# Allegro board pocketbeagle2-revA_241205.brd (continued)
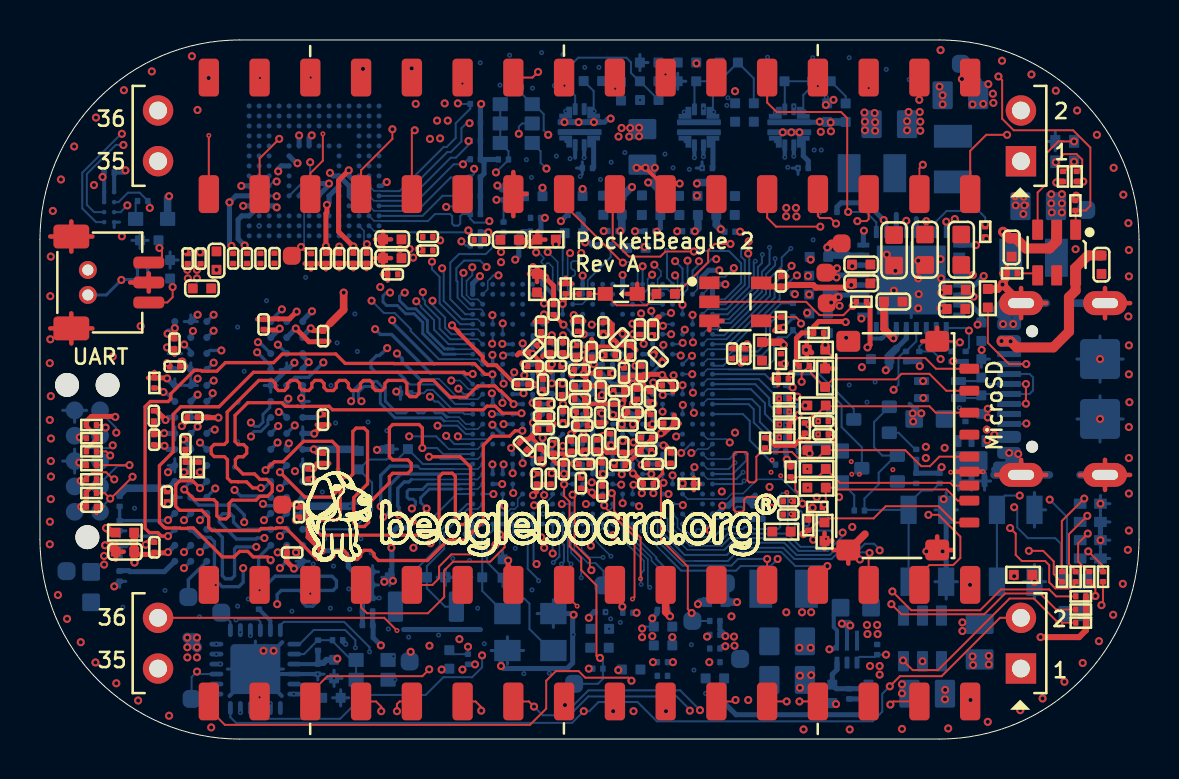
[diagram p0: board, top side]
## Routing (per net, layer and track width the routed paths; a pad name or vN(x,y) marks a point on that pad's centre or on a via; arc(x,y) is an arc through that point) (continued)
N8480473: length 1.5
  TOP w0.102: C76.1 16.34,24.35
  TOP w0.254: v1(16.36,24.78) 16.34,24.76 16.34,24.35
  BOTTOM w0.081: U3.C2 16.22,25.44 16.22,24.93 16.36,24.78 v1(16.36,24.78)
N8502406: length 15.7
  LYR3 w0.097: v1(22.82,28.37) 22.59,28.14 21.19,28.14 20.43,28.9 13.88,28.9 13.85,28.88 v1(13.52,28.88)
  BOTTOM w0.102: D47.1 D48.1 D56.1 23.44,29.43 R14.2 23.44,29 v1(22.82,28.37) ; U3.K5 13.52,28.25 v1(13.52,28.88)
N15874060: length 1.3
  TOP w0.168: v1(6.18,17.37) 5.98,17.57 R1.1
  BOTTOM w0.168: v1(6.18,17.37) 6.28,17.37 U2.F9
N15874116: length 2.2
  BOTTOM w0.168: U2.T7 7.43,7.98 TP11.1
N15878591: length 1.3
  TOP w0.102: C82.1 7.28,14.48
  TOP w0.254: R2.2 R3.2 7.28,13.88 7.28,14.48
N15909544: length 4.2
  BOTTOM w0.081: 20.59,16.55 21.37,16.55 21.41,16.52 21.91,16.52 U1.M2
  BOTTOM w0.102: R88.2 19.21,17.32 19.37,17.48 19.66,17.48 20.59,16.55
N15997584: length 2.6
  TOP w0.381: v1(42.71,20.06) 42.24,20.53 C52.1
  BOTTOM w0.254: v1(42.71,20.06) 42.85,20.21 U17.14
N15997644: length 0.9
  BOTTOM w0.254: U17.27 42.85,26.27
N15998811: length 0.7
  BOTTOM w0.254: U17.29 43.85,26.06
N16025692: length 2.6
  BOTTOM w0.081: U1.AE10 26.16,23.98
  BOTTOM w0.102: 26.16,23.98 26.16,24.55 26.26,24.65 R131.1
N16025696: length 1.1
  TOP w0.102: R130.1 25.22,22.02 v1(25.22,21.81)
  BOTTOM w0.102: U1.AC9 25.27,21.77 v1(25.22,21.81)
N16034849: length 1.7
  BOTTOM w0.203: U12.5 40.39,5.53 40.53,5.67 40.24,5.67 v1(40.13,5.78)
  BOTTOM w0.381: v1(40.55,5.69) 40.46,5.78 v1(40.13,5.78)
  vias: v1(38.13,6.35) v1(38.59,6.35)
N16034871: length 3.2
  BOTTOM w0.254: R260.1 41.25,2.52 C11.1 39.86,2.52 R261.1 39.65,3.24 39.89,3.48 U12.3
N16038113: length 0.5
  BOTTOM w0.203: v1(25.61,13.31) 25.66,13.35 U1.G9
N16038120: length 0.8
  TOP w0.102: C137.1 26.95,13.77
  TOP w0.203: v1(26.73,13.78) 26.75,13.77 26.95,13.77
  BOTTOM w0.203: v1(26.73,13.78) 26.66,13.86 U1.H11
N16038127: length 1.2
  TOP w0.102: 31.56,14.35 C138.1
  TOP w0.254: 31.56,14.35 31.56,14.44 31.3,14.71 v1(31.2,14.71)
  BOTTOM w0.102: v1(31.2,14.71) 31.16,14.74
  BOTTOM w0.254: 31.16,14.74 30.68,14.74 U1.J19
N16038134: length 1
  TOP w0.102: C139.1 30.15,13.77 v1(30.11,13.73)
  BOTTOM w0.102: v1(30.11,13.73) 29.66,14.18 U1.H17
N16038141: length 0.7
  TOP w0.102: C140.1 24.39,18.67
  TOP w0.254: 24.39,18.67 24.31,18.67 v1(24.2,18.78)
  BOTTOM w0.254: U1.U7 24.22,18.77 v1(24.2,18.78)
N16038148: length 1.1
  TOP w0.102: 31.12,17.73 31.14,17.7 C141.1
  TOP w0.203: 31.12,17.73 30.81,17.73 v1(30.69,17.85)
  BOTTOM w0.254: v1(30.69,17.85) 30.66,17.81 U1.P19
N16038155: length 0.9
  TOP w0.102: 30.02,20.23 C142.1
  TOP w0.203: 30.02,20.23 29.72,20.23 v1(29.68,20.27)
  BOTTOM w0.203: U1.W17 29.66,20.22 29.68,20.24 v1(29.68,20.27)
N16038162: length 1.1
  TOP w0.102: C143.1 30.07,15.09
  TOP w0.203: v1(29.7,14.85) 29.94,15.09 30.07,15.09
  BOTTOM w0.203: U1.K18 30.12,15.27 v1(29.7,14.85)
N16038169: length 0.5
  BOTTOM w0.203: v1(28.72,13.84) 28.71,13.85 28.71,13.91 28.66,13.96 U1.H15
N16043280: length 50.9
  LYR3 w0.152: v1(19.49,4.67) 19.19,4.98 19.19,6.96 20.46,8.23 22.11,8.23 23.44,9.56 23.44,10.93 24.01,11.5 24.01,13.13 25.16,14.28 v1(25.16,15.08)
  LAY8 w0.152: v1(4.07,22.99) 4.43,22.63 4.43,14.91 4.1,14.58 4.1,13.12 4.3,12.92 4.3,8.56 5.34,7.52 7.04,7.52 11.52,3.05 18.17,3.05 19.49,4.37 v1(19.49,4.67)
  BOTTOM w0.152: R26.1 C22.1 4.1,23.01 v1(4.07,22.99) 3.32,22.23 J2.1
  BOTTOM w0.254: v1(25.16,15.08) U1.J8
N16177059: length 4
  TOP w0.102: R15.1 13.39,24.31 v1(13.06,24.64) 12.62,24.19 TP1.1
  BOTTOM w0.081: U3.H5 13.22,26.94 13.22,24.79 v1(13.06,24.64)
N16646883: length 4.9
  BOTTOM w0.081: 27.53,23.1 27.41,22.98 27.41,22.04 27.14,21.77 U1.AC11
  BOTTOM w0.102: R132.1 29.23,24.74 R94.2 28.56,24.13 27.53,23.1
N17713632: length 4.5
  TOP w0.102: R17.2 51.14,10.92 v1(52.26,12.04)
  BOTTOM w0.102: LED1.1 52.26,11.99 v1(52.26,12.04)
N17713634: length 3.8
  TOP w0.102: R18.2 51.82,8.43 51.49,8.76 51.49,10.26 v1(52.41,11.17)
  BOTTOM w0.102: LED2.1 52.36,11.17 v1(52.41,11.17)
N17713636: length 2.9
  TOP w0.102: v1(52.43,10.29) 51.95,9.8 51.95,8.89 52.46,8.38 R19.2
  BOTTOM w0.102: LED3.1 52.38,10.29 v1(52.43,10.29)
N17713638: length 1.9
  TOP w0.102: R21.2 53.2,8.66 v1(52.46,9.4)
  BOTTOM w0.102: LED4.1 52.1,9.04 v1(52.46,9.4)
N17713640: length 2.3
  TOP w0.102: v1(50.83,28.88) 51.24,29.28 51.88,29.28 52.16,29.01 52.16,28.65 51.93,28.42 R22.2
N17714626: length 7.5
  BOTTOM w0.081: U1.C2 21.91,11.52 21.44,11.52 21.42,11.5
  BOTTOM w0.102: 21.42,11.5 21.4,11.5 20.23,10.33 20.23,9.52 19.36,8.66 R66.1 19.36,7.55 20.28,6.63 X1.1
N17714640: length 6.9
  BOTTOM w0.102: U1.C1 21.38,11.77 20.02,10.41 20.02,9.7 18.43,8.11 C1.1 18.43,7.63 17.79,6.98 X1.2
N17714779: length 5.8
  BOTTOM w0.081: 22.13,10.15 21.91,10.38 21.91,11.02 U1.B2
  BOTTOM w0.102: 22.13,10.15 C3.1 22.13,7.42 23.27,6.28 X2.3
N17714825: length 8.2
  BOTTOM w0.102: U1.A3 22.66,10.45 22.36,10.15 22.36,8.87 C4.1 23.15,7.64 23.76,7.03 24.24,7.03 24.49,6.78 24.49,5.51 25.57,4.43 X2.1
N17744709: length 1.1
  TOP w0.102: U5.4 49.82,23.32 R46.1
N17749261: length 0.8
  TOP w0.102: v1(51.75,28.9) 51.27,28.42 R38.2
N17752861: length 1.6
  TOP w0.102: P1.18 28.77,7.13 29.14,6.76 v1(29.14,6.63)
  BOTTOM w0.102: R48.1 29.17,6.45 29.14,6.48 v1(29.14,6.63)
N17806286: length 1.6
  BOTTOM w0.102: R29.2 40.75,12.21 D1.2
N17809536: length 6.6
  TOP w0.102: R52.1 v1(25.82,24.76)
  LYR3 w0.097: v1(25.82,24.76) 25.99,24.59 25.99,23.24 25.64,22.88 25.64,21.51 25.94,21.21 26.22,21.21 26.68,20.74 v1(27.61,20.74)
  BOTTOM w0.102: v1(27.61,20.74) 27.63,20.76 27.63,20.76 27.64,20.77 U1.AA14
N17822897: length 4.6
  BOTTOM w0.081: U1.B22 32.4,11.02 32.55,11.02 32.55,11.02 34,11.02 34.01,11.02 34.04,11.02
  BOTTOM w0.102: 34.04,11.02 34.63,11.02 34.78,11.17 34.78,11.53 34.88,11.63 35.11,11.63 35.21,11.53 35.21,11.12 35.31,11.02 R64.1
N17823731: length 12.5
  TOP w0.102: R96.2 51.05,5.83 v1(51,5.78) 49.74,7.03 48.52,7.03 44.94,3.45 43.67,3.45 v1(43.19,3.94)
  BOTTOM w0.102: D17.1 D16.1 51.32,6.1 v1(51,5.78)
N17852744: length 5.5
  LYR9_GND w0.097: v3(38.24,31.42) 38.2,31.38 v3(36.8,31.38)
  BOTTOM w0.102: U7.1 v3(36.8,31.38) ; U7.4 38.2,32.24 38.41,32.46 39.1,32.46 R56.1 40.32,32.19 R55.2
N17852767: length 2.8
  BOTTOM w0.102: R56.2 R57.1 37.27,32.92 U7.2
N17852826: length 1.4
  BOTTOM w0.254: U7.7 38.2,29.2 38.45,28.95 C12.1
N17855551: length 7.1
  LYR9_GND w0.097: v3(32.24,31.39) 32.36,31.27 33.59,31.27 v3(33.71,31.39)
  BOTTOM w0.102: 33.68,31.36 v3(33.71,31.39) ; 33.68,31.36 U9.4 ; 33.68,31.36 33.68,32.62 R39.1 35.72,33.08 R37.2 ; U9.1 v3(32.24,31.39)
N17855593: length 3.2
  BOTTOM w0.102: R39.2 34,33.53 33.4,32.93 R40.1 32.75,32.84 U9.2
N17855603: length 1.3
  BOTTOM w0.102: C13.1 33.67,28.59
  BOTTOM w0.254: U9.7 33.68,28.59 33.67,28.59
N17856818: length 5.8
  LYR9_GND w0.097: v3(26.31,31.43) v3(27.74,31.43) 29.47,31.43 v3(30.03,31.99)
  BOTTOM w0.102: U10.1 v3(26.31,31.43) ; U10.4 27.71,32.44 R41.2
N17856864: length 8.1
  BOTTOM w0.102: U10.2 26.78,32.2 26.5,32.49 26.5,33.68 26.93,34.11 29.35,34.11 29.57,33.88 29.57,33.35 29.99,32.93 R43.1 30.95,32 R42.2
N17856874: length 1.4
  BOTTOM w0.102: C14.1 27.68,28.59
  BOTTOM w0.254: 27.68,28.59 27.71,28.62 U10.7
N17856912: length 1.9
  BOTTOM w0.102: R62.1 R53.1 R43.2
N17858761: length 8.6
  LYR9_GND w0.097: v1(32.85,33.83) 32.85,33.48 32.52,33.15 32.52,31.85 32.8,31.58 v3(33.2,31.58) 34.42,32.79 36.48,32.79 37.6,31.67 v3(37.73,31.67)
  BOTTOM w0.102: U9.3 v3(33.2,31.58) ; U7.3 37.72,31.67 v3(37.73,31.67)
N17861361: length 1.7
  BOTTOM w0.102: U11.5 13.43,2.75 R44.2
N17861988: length 4.8
  BOTTOM w0.102: U11.2 13.22,4.25 13.58,4.61 13.58,4.62 13.9,4.95 R45.2 14.61,4.95 ; 14.61,4.95 14.64,4.95 C16.1 ; 14.61,4.95 14.61,4.95 14.61,4.93 15.58,3.96 D5.1 D4.1
N17863050: length 1.3
  BOTTOM w0.203: U11.23 11.53,5.93 C19.1
N17864579: length 1.1
  BOTTOM w0.102: TP7.1 9.53,5.87 U11.19
N17866231: length 1.7
  BOTTOM w0.102: R58.2 43.8,14.5 42.96,15.34 Q1.2
N17951154: length 3.9
  TOP w0.102: R68.1 30.85,22.2 30.36,21.72 28.86,21.72 D3.2 R67.2
N17970480: length 0.9
  BOTTOM w0.102: R72.1 4.79,26.84 D6.2
N178666392: length 1
  BOTTOM w0.102: Q2.2 43,12.8 R50.2

## Copper pours and planes (outline as drawn; the poured copper is in the pictures)
GND on TOP: 0.25,25 3.11,31.89 10,34.75 45,34.75 51.89,31.89 54.75,25 54.75,10 51.89,3.11 45,0.25 10,0.25 3.11,3.11 0.25,10 ; 19 cut-outs
GND on TOP: 7.6,23.52 7.6,22.25 7.83,22.02 14.28,22.02 14.97,22.71 15.43,22.71 15.71,22.43 15.71,20.5 16.29,19.91 21.12,19.91 22.26,21.06 22.26,23.39 21.83,23.82 21.83,25.6 21.5,25.93 19.82,25.93 19.59,25.7 19.59,23.14 19.31,22.86 17.66,22.86 17.51,23.01 17.51,25.25 17.38,25.37 16.85,25.37 16.62,25.14 16.62,24.05 16.49,23.93 9.28,23.93 9.18,23.82 7.91,23.82
GND on TOP: 44.64,24.26 41.77,24.26 41.41,23.9 41.41,22.58 41.79,22.2 42.86,22.2 42.96,22.1 42.96,21.59 42.76,21.39 42.38,21.39 42.15,21.16 42.15,19.66 42.48,19.33 45.3,19.33 45.7,19.73 45.7,22.73 45.5,22.93 45.5,24.36 45.88,24.74 46.49,24.74 46.77,25.02 46.77,25.58 46.64,25.7 45.3,25.7 45.04,25.45 45.04,24.66
GND on TOP: 25.13,23.47 25.13,28.47 25.74,29.08 25.74,29.62 25.49,29.87 22.87,29.87 22.51,29.51 22.51,26.57 23.76,25.32 23.76,23.39 24.09,23.06 24.72,23.06
GND on BOTTOM: 18.27,8 17.74,7.47 17.74,6.93 17.61,6.81 16.75,6.81 16.57,6.98 16.57,8.71 16.67,8.81 18.02,8.81 18.27,8.56
GND on BOTTOM: 2.57,11.45 1.41,11.45 1.15,11.2 1.15,10.36 1.46,10.06 2.6,10.06 2.83,10.29 2.83,11.2
GND on BOTTOM: 0.25,25 3.11,31.89 10,34.75 45,34.75 51.89,31.89 54.75,25 54.75,10 51.89,3.11 45,0.25 10,0.25 3.11,3.11 0.25,10 ; 22 cut-outs
GND on BOTTOM: 38.54,24.56 37.83,24.56 37.6,24.33 37.6,22.38 37.78,22.2 37.96,22.2 38.03,22.12 38.03,21.61 37.88,21.46 37.65,21.46 37.55,21.36 37.55,20.39 37.91,20.04 37.91,19.05 38.67,18.29 40.22,18.29 41.64,16.86 43.11,16.86 44.33,15.65 44.33,14.17 45.04,13.46 47.48,13.46 48.19,12.75 49.28,12.75 49.54,13 49.54,14.1 49.08,14.55 47.99,14.55 47.84,14.4 45.7,14.4 44.61,15.49 44.61,16.76 44.36,17.02 43.42,17.02 42.73,17.7 42.73,18.31 42.45,18.59 42.02,18.59 41.84,18.77 41.84,19.38 42.45,19.99 42.45,20.34 42.43,20.37 42.27,20.37 42.25,20.34 42.25,20.29 42.17,20.22 40.57,20.22 40.22,19.86 38.9,19.86 38.74,20.01 38.74,24.36
GND on BOTTOM: 44.33,4.34 44,4.34 43.93,4.27 43.93,3.38 43.75,3.2 43.09,3.2 42.86,2.97 42.86,1.07 43.32,0.61 46.9,0.61 48.09,1.8 48.09,4.01 47.63,4.47 46.44,4.47 46.26,4.29 46.26,3.38 46.57,3.07 46.57,1.55 46.16,1.14 44.41,1.14 44.03,1.52 44.03,2.77 44.43,3.17 44.43,4.24
GND on BOTTOM: 31.53,6.81 33.16,6.81 33.64,6.32 33.64,2.95 33.41,2.72 31.58,2.72 31.3,3 31.3,6.58
GND on BOTTOM: 44.26,30.02 43.11,30.02 42.91,30.22 42.91,31.67 43.37,32.13 43.98,32.13 44.74,32.89 45.32,32.89 45.65,32.56 45.65,31.75 45.42,31.52 44.81,31.52 44.46,31.16 44.46,30.22
GND on BOTTOM: 40.29,7.19 39.46,7.19 39.23,6.96 39.23,6.15 38.74,5.66 37.96,5.66 37.73,5.43 37.73,1.95 38.19,1.5 39.07,1.5 39.3,1.73 39.3,3.86 39.96,4.52 39.96,5.49 39.81,5.64 39.81,5.94 39.99,6.12 40.34,6.12 40.47,6.25 40.47,7.01
GND on LYR2_GND: 0.25,25 3.11,31.89 10,34.75 45,34.75 51.89,31.89 54.75,25 54.75,10 51.89,3.11 45,0.25 10,0.25 3.11,3.11 0.25,10 ; 4 cut-outs
GND on LAY4_G: 0.25,25 3.11,31.89 10,34.75 45,34.75 51.89,31.89 54.75,25 54.75,10 51.89,3.11 45,0.25 10,0.25 3.11,3.11 0.25,10
GND on LAY5_PWR1: 27.34,19.51 26.27,19.51 25.94,19.18 25.94,16.36 26.04,16.25 27.57,16.25 27.67,16.36 27.67,19.18
GND on LAY5_PWR1: 45.93,4.62 36.97,4.62 33.94,1.6 28.43,1.6 28,2.03 28,4.88 26.25,6.63 26.25,11.99 26.02,12.22 21.01,12.22 12.38,20.85 11.24,20.85 10.93,20.55 10.93,4.27 9.91,3.25 7.12,3.25 2.35,8.03 2.35,25.04 3.36,26.06 8.19,26.06 8.62,26.49 8.62,31.47 9.76,32.61 23.43,32.61 24.52,31.52 24.52,30.07 24.93,29.67 35.49,29.67 35.98,30.15 35.98,32.89 36.89,33.81 43.39,33.81 48.19,29.01 48.19,25.55 48.45,25.3 53.96,25.3 54.36,25.7 54.36,26.85 53.25,29.84 50.86,32.51 47.99,34.09 45.75,34.57 44.84,34.72 9.43,34.72 9.08,34.7 7.04,34.21 5.72,33.68 4.25,32.76 2.57,31.19 1.46,29.54 0.49,26.44 0.29,25.3 0.29,9.47 0.36,8.79 0.95,6.6 1.56,5.33 2.78,3.53 4.02,2.46 5.67,1.4 7.98,0.61 9.43,0.33 9.94,0.28 45.02,0.28 46.21,1.47 46.21,4.34
GND on LAY6_PWR2: 51.16,5.94 43.11,5.94 42.81,5.64 42.81,0.56 43.09,0.28 45.63,0.28 45.91,0.3 47.13,0.51 48.32,0.89 49.82,1.57 51.22,2.56 52.61,3.99 53.55,5.49 54.31,7.26 54.67,9.09 54.72,9.85 54.72,25.45 54.64,26.08 54.21,28.12 53.58,29.51 52.69,30.91 51.72,31.98 50.28,33.15 48.93,33.15 48.57,32.79 48.57,28.07 48.85,27.79 51.67,27.79 52.28,27.18 52.28,7.06
GND on LAY6_PWR2: 17.51,34.72 9.41,34.72 8.85,34.67 7.65,34.42 4.07,32.54 2.09,30.45 0.72,27.41 0.31,25.55 0.26,25.32 0.26,10.67 0.31,9.27 0.77,7.16 1.79,4.9 2.6,3.73 3.82,2.54 5.06,1.68 7.15,0.74 8.24,0.46 9.41,0.3 9.81,0.28 12.48,0.28 13.01,0.81 13.01,26.14 17.92,31.04 17.92,34.31
GND on LYR7: 47.35,34.39 44.13,34.39 43.42,33.68 43.42,26.16 43.77,25.81 53.86,25.81 54.42,26.36 54.42,27.3 53.91,28.7 53.04,30.35 52.05,31.62 50.86,32.66 49.08,33.78 47.84,34.24
GND on LYR9_GND: 0.25,25 3.11,31.89 10,34.75 45,34.75 51.89,31.89 54.75,25 54.75,10 51.89,3.11 45,0.25 10,0.25 3.11,3.11 0.25,10 ; 9 cut-outs
VBAT on TOP: 34.38,33.98 33.31,33.98 33.16,33.83 33.16,32.31 32.98,32.13 26.17,32.13 25.94,31.9 25.94,30.76 26.12,30.58 28.3,30.58 28.69,30.96 34.27,30.96 34.91,31.6 34.91,33.45
VBAT on BOTTOM: 28.08,30.76 28.61,30.76 29.4,31.55 29.4,32.1 29.3,32.21 28.71,32.21 28.46,32.46 28.46,33.02 28.28,33.2 28.05,33.2 27.95,33.09 27.95,32.21 28.33,31.82 28.33,31.14 28.2,31.01 28.08,31.01 28,30.94 28,30.83
VDD_1V2 on TOP: 18.98,25.65 18.09,25.65 17.76,25.32 17.76,23.21 17.89,23.09 19.01,23.09 19.26,23.34 19.26,25.37
VDD_1V2 on BOTTOM: 3.56,9.4 3.72,9.24 5.5,9.24 5.75,8.99 6.64,8.99 6.71,8.91 6.71,8.71 6.28,8.28 3.46,8.28 3.08,7.9 1.33,7.9 1,8.23 1,8.76 1.63,9.4
VDD_1V2 on BOTTOM: 39.91,27.41 39.91,29.62 40.7,30.4 40.7,31.34 40.88,31.52 41.87,31.52 42.1,31.29 42.1,30.02 41.26,29.18 41.26,27.33 41.11,27.18 40.14,27.18
VDD_1V2 on LYR7: 20.25,32.21 12.38,32.21 2.78,22.6 2.78,11.33 3.62,10.49 3.62,10.03 2.98,9.4 2.98,6.73 3.97,5.74 9.84,5.74 11.08,4.49 18.65,4.49 22.54,8.38 22.54,12.8 24.7,14.96 25.26,14.96 25.84,15.54 25.84,21.89 29.12,25.17 41.56,25.17 42.1,25.7 42.1,33.3 41.66,33.73 21.78,33.73
VDD_1V8 on TOP: 22.18,24.18 22.18,25.42 22.34,25.58 23.07,25.58 23.33,25.32 23.33,23.82 23.17,23.67 22.69,23.67
VDD_1V8 on TOP: 11.79,24.23 8.59,24.23 8.52,24.31 8.52,25.35 8.72,25.55 11.74,25.55 11.95,25.35 11.95,24.38
VDD_1V8 on BOTTOM: 47.53,29.56 45.04,29.56 44.79,29.82 44.79,31.01 45.07,31.29 46.21,31.29 46.44,31.52 46.44,33.2 46.57,33.32 47.84,33.32 48.04,33.12 48.04,30.07
VDD_1V8 on BOTTOM: 45.93,26.24 45.37,26.24 45.12,25.98 45.12,25.83 45.25,25.7 45.25,25.27 45.37,25.14 46.06,25.14 46.19,25.27 46.19,25.98
VDD_1V8 on LAY5_PWR1: 26.48,12.75 26.48,13.46 26.35,13.59 25.94,13.59 25.66,13.87 25.66,19.25 23.48,21.44 23.48,31.24 22.56,32.16 9.91,32.16 9.31,31.55 9.31,24.61 21.45,12.47 26.2,12.47
VDD_1V8 on LAY6_PWR2: 42.15,32.31 25.1,32.31 23.15,30.35 19.11,30.35 18.55,30.91 18.55,33.93 19.34,34.72 45.17,34.72 45.42,34.47 46.82,34.47 47.99,33.3 47.99,27.51 46.08,25.6 45.25,25.6 44.97,25.88 44.97,29.49
VDD_1V8 on LAY8: 40.85,22.4 40.55,22.4 40.39,22.55 40.39,22.96 43.04,25.6 44.71,25.6 45.32,26.21 46.19,26.21 46.57,25.83 46.57,24.64 45.78,23.85 44.23,23.85 42.5,22.12 41.13,22.12
VDD_3V3 on TOP: 47,22.68 46.29,22.68 46.14,22.53 46.14,21.46 46.26,21.33 47,21.33 47.18,21.51 47.18,22.5
VDD_3V3 on TOP: 7.86,22.38 7.22,22.38 7.1,22.5 7.1,23.77 7.25,23.93 8.16,23.93 8.29,23.8 8.29,23.09 7.96,22.76 7.96,22.48
VDD_3V3 on TOP: 20.07,27.96 20.07,26.9 20.56,26.41 21.22,26.41 21.47,26.67 21.47,30 20.74,30.73 19.57,30.73 19.31,30.48 19.31,28.73
VDD_3V3 on TOP: 35.34,4.9 34.12,4.9 33.28,5.74 33.28,8.36 33.49,8.56 35.16,8.56 35.34,8.38 35.34,6.91 35.65,6.6 35.65,5.21
VDD_3V3 on BOTTOM: 36.43,2.21 35.31,2.21 34.71,2.82 34.2,2.82 33.97,3.05 33.97,6.12 34.17,6.32 35.01,6.32 35.21,6.53 35.21,8.2 35.49,8.48 36.31,8.48 36.64,8.15 36.64,2.41
VDD_3V3 on BOTTOM: 45.58,4.37 45.04,4.37 44.87,4.19 44.87,1.57 45.04,1.4 45.98,1.4 46.16,1.57 46.16,3.02 45.7,3.48 45.7,4.24
VDD_3V3 on LAY5_PWR1: 2.8,24.61 2.8,8.15 7.22,3.73 9.66,3.73 10.52,4.6 10.52,22.48 7.53,25.47 3.67,25.47
VDD_3V3 on LAY6_PWR2: 45.12,18.95 43.95,18.95 42.88,17.88 41.87,17.88 41.51,18.24 41.51,18.82 41.82,19.12 41.82,24.87 38.62,28.07 33.97,28.07 32.88,26.97 32.88,22.73 30.84,20.7 27.03,20.7 26.83,20.5 26.83,19.61 27.14,19.3 29.22,19.3 29.55,18.97 29.55,17.83 30.36,17.02 30.36,14.25 30.54,14.07 34.12,14.07 34.55,14.5 34.55,15.62 35.39,16.46 35.39,22.96 36.81,24.38 40.12,24.38 40.42,24.08 40.42,23.06 37.96,20.6 37.68,20.6 37.52,20.45 37.52,20.17 37.65,20.04 37.65,14.73 37.14,14.22 37.14,13.33 39.05,11.43 43.67,11.43 45.45,13.21 45.45,18.62
VDD_3V3 on LYR7: 43.49,25.4 42.43,24.33 39.12,24.33 38.62,24.84 29.12,24.84 25.97,21.69 25.97,19.86 26.5,19.33 30.64,19.33 33.84,22.53 40.37,22.53 40.78,22.12 40.78,18.95 39.81,17.98 37.78,17.98 34.35,14.55 30.54,14.55 30.29,14.3 26.81,14.3 26.17,14.93 25.46,14.93 25.28,14.76 24.85,14.76 22.92,12.83 22.92,8.36 18.88,4.32 10.83,4.32 9.76,5.38 7.25,5.38 6.99,5.13 6.99,1.45 7.91,0.53 9.61,0.53 9.86,0.28 45.63,0.28 54.67,9.32 54.67,24.94 54.21,25.4
VDD_3V3 on LAY8: 25.41,14.93 25.64,15.16 27.85,15.16 28.48,14.53 28.48,13.16 28.33,13 25.99,13 25.41,13.59
VDD_3V3 on LAY8: 10.22,32.1 20.05,32.1 20.43,31.72 20.43,28.8 18.98,27.35 18.98,23.82 18.17,23.01 14.56,23.01 14.16,22.6 5.24,22.6 4.76,23.09 4.76,27.56 5.57,28.37 6.49,28.37 ; 1 cut-out
VDD_3V3_SD on TOP: 40.24,15.82 39.94,16.13 39.51,16.13 39.38,16 39.38,14.98 39.58,14.78 45.55,14.78 45.78,15.01 46.85,15.01 46.92,15.09 46.92,15.37 46.82,15.47 46.06,15.47 45.7,15.82
VDD_3V3_SD on BOTTOM: 47.58,5.23 46.19,5.23 45.75,4.8 44.26,4.8 43.9,5.15 43.9,6.55 44,6.65 44.36,6.65 44.43,6.58 44.43,5.69 44.48,5.64 44.87,5.64 44.89,5.66 44.89,6.48 45.14,6.73 47.53,6.73 47.86,6.4 47.86,5.51
VDD_3V3_SD on LAY5_PWR1: 46.36,5.15 46.36,13.61 45.6,14.38 43.11,14.38 41.82,15.67 39.51,15.67 39.33,15.49 39.33,11.5 40.12,10.72 40.12,5.71 40.9,4.93 46.14,4.93
VDD_CANUART on TOP: 23.83,13.33 24.19,13.69 24.8,13.69 24.98,13.51 24.98,13.23 24.9,13.16 24.65,13.16 24.44,12.95 24.44,11.56 25.61,10.39 25.61,6.73 25.89,6.45 27.44,6.45 27.69,6.2 27.69,5.21 27.34,4.85 24.88,4.85 24.29,5.43 24.29,8.51 23.83,8.96
VDD_CANUART on BOTTOM: 27.69,6.63 27.21,6.63 27.01,6.42 27.01,4.49 27.21,4.29 27.62,4.29 27.8,4.47 27.8,6.53
VDD_CORE on BOTTOM: 28.36,4.29 30.77,4.29 30.97,4.49 30.97,6.45 30.87,6.55 30.54,6.55 30.41,6.42 30.41,5.97 30.23,5.79 29.5,5.79 28.69,4.98 28.41,4.98 28.25,4.82 28.25,4.39
VDD_CORE on BOTTOM: 52.49,27.46 50.63,27.46 50.33,27.15 50.33,23.6 50.73,23.19 52.16,23.19 52.84,23.87 52.84,27.1
VDD_CORE on LAY6_PWR2: 30.95,4.75 32.42,6.22 50.48,6.22 51.77,7.52 51.77,27.13 51.47,27.43 48.17,27.43 46.57,25.83 46.57,24.64 46.69,24.51 47.28,24.51 47.84,23.95 47.84,22.96 46.06,21.18 46.06,13 44.08,11.02 40.19,11.02 39.94,10.77 39.94,10.11 39.43,9.6 35.26,9.6 34.55,10.31 34.55,13.21 34.1,13.66 30.46,13.66 30.06,14.07 30.06,17.07 29.35,17.78 29.35,18.9 29.17,19.07 27.06,19.07 26.65,19.48 26.65,20.55 26.96,20.85 30.51,20.85 32.65,22.99 32.65,27.05 33.16,27.56 33.16,27.96 33.03,28.09 30.29,28.09 30.16,27.96 30.16,26.03 28.53,24.41 22.39,24.41 19.97,22 19.97,8 23.22,4.75
VDDA_0V85 on BOTTOM: 40.67,22.35 39.48,22.35 39.2,22.07 39.2,20.34 39.38,20.17 39.91,20.17 40.06,20.32 40.06,21.44 40.73,22.1 40.73,22.3
VDDA_0V85 on LYR7: 27.03,14.48 25.97,15.54 25.97,18.74 26.25,19.02 30.72,19.02 33.99,22.3 40.14,22.3 40.29,22.15 40.29,19.05 39.46,18.21 37.65,18.21 34.22,14.78 30.46,14.78 30.16,14.48
VDDA_1V8 on TOP: 37.35,10.62 37.65,10.62 38.19,10.08 38.9,10.08 38.97,10.01 38.97,9.27 38.87,9.17 37.63,9.17 37.27,9.52 37.27,10.54
VDDA_1V8 on BOTTOM: 39.33,23.57 39.53,23.57 39.84,23.87 40.09,23.87 40.22,23.75 40.22,23.47 40.37,23.32 40.37,23.16 40.12,22.91 39.4,22.91 39.25,23.06 39.25,23.49
VDDA_1V8 on LAY5_PWR1: 38.62,10.77 38.97,10.41 38.97,9.63 38.46,9.12 38.46,8.08 36.97,6.58 36.97,5.05 33.77,1.85 28.63,1.85 28.38,2.11 28.38,3.45 28.56,3.63 29.37,3.63 29.7,3.3 30.92,3.3 31.28,3.66 31.28,5.99 31.5,6.22 33.18,6.22 33.49,6.53 33.49,10.21 34.04,10.77
VDDA_1V8 on LAY5_PWR1: 39.66,23.16 39.66,25.53 38.21,26.97 25.1,26.97 24.9,27.18 24.9,29.06 25.13,29.28 38.9,29.28 41.87,26.31 41.87,23.27 41.61,23.01 39.81,23.01
VDDA_1V8 on LAY6_PWR2: 37.25,20.62 37.25,20.06 37.45,19.86 37.45,14.78 36.89,14.22 36.89,13.13 38.92,11.1 39.33,11.1 39.48,10.95 39.48,10.11 39.23,9.85 38.87,9.85 38.85,9.83 35.54,9.83 34.98,10.39 34.98,15.65 35.72,16.38 35.72,22.78 36.99,24.05 40.01,24.05 40.22,23.85 40.22,23.14 37.85,20.78 37.4,20.78
VDDA_1V8 on LAY8: 29.5,13.05 28.86,13.05 28.69,13.23 28.69,15.01 28.28,15.42 25.61,15.42 25.18,14.98 25.18,14.25 24.95,14.02 24.47,14.02 24.39,14.1 24.39,18.85 23.76,19.48 23.76,27.61 24.19,28.04 29.52,28.04 29.8,27.76 29.8,26.87 29.07,26.14 27.26,26.14 26.45,25.32 26.45,22.78 25.69,22.02 25.69,20.04 26.78,18.95 27.82,18.95 30.49,16.28 30.49,14.04
VDDA_1V8_CSIRX on BOTTOM: 32.04,27.58 31.73,27.58 31.5,27.35 31.5,25.35 31.68,25.17 32.09,25.17 32.27,25.35 32.27,27.35
VDDA_1V8_CSIRX on LAY5_PWR1: 31.53,22.17 29.7,22.17 29.12,21.59 29.12,20.5 28.53,19.91 27.82,19.91 27.57,20.17 27.57,23.37 28.36,24.15 30.51,24.15 30.87,24.51 30.87,24.84 31.68,25.65 32.6,25.65 32.98,25.27 32.98,23.62
VDDA_1V8_MCU on BOTTOM: 30.82,4.09 30.06,4.09 29.85,3.88 29.85,3.05 30.03,2.87 30.77,2.87 31,3.1 31,3.91
VDDA_1V8_MCU on LAY5_PWR1: 27.39,16.05 26.07,16.05 25.94,15.92 25.94,14.02 26.12,13.84 26.53,13.84 26.65,13.71 26.65,6.81 29.9,3.55 30.72,3.55 30.87,3.71 30.87,6.37 28.66,8.58 28.66,13.99 27.67,14.98 27.67,15.77
VDDA_1V8_OLDI on BOTTOM: 26.37,25.73 25.84,25.73 25.66,25.91 25.66,27.3 25.82,27.46 26.37,27.46 26.53,27.3 26.53,25.88
VDDA_1V8_OLDI on LAY5_PWR1: 25.43,19.99 26.96,19.99 27.31,20.34 27.31,26.01 26.98,26.34 24.39,26.34 23.88,25.83 23.88,21.54
VDDA_1V8_USB on BOTTOM: 28.28,27.43 27.77,27.43 27.62,27.28 27.62,25.63 28.03,25.22 28.33,25.22 28.51,25.4 28.51,27.2
VDDA_1V8_USB on LAY8: 26.09,20.52 26.81,20.52 28.18,21.89 28.18,24.84 28.48,25.14 28.48,25.58 28.28,25.78 27.24,25.78 26.88,25.42 26.88,22.71 25.97,21.79 25.97,20.65
VDDA_CORE_CSI on BOTTOM: 34.68,25.27 34.68,25.63 34.53,25.78 34.53,27.28 34.63,27.38 35.24,27.38 35.39,27.23 35.39,25.27 35.29,25.17 34.78,25.17
VDDA_CORE_CSI on LAY5_PWR1: 28.03,18.95 27.87,19.1 27.87,19.48 28.03,19.63 28.66,19.63 29.4,20.37 29.4,21.54 29.75,21.89 31.71,21.89 33.28,23.47 33.28,25.42 33.54,25.68 35.37,25.68 35.54,25.5 35.54,21.26 33.23,18.95
VDDA_CORE_USB on BOTTOM: 30.21,27.41 29.93,27.41 29.6,27.08 29.6,25.27 29.7,25.17 30.29,25.17 30.39,25.27 30.39,27.23
VDDA_CORE_USB on LAY8: 26.5,19.51 26.37,19.63 26.37,20.12 26.63,20.37 26.91,20.37 28.51,21.97 28.51,24.84 28.74,25.07 28.74,25.68 28.86,25.81 29.78,25.81 29.98,25.6 29.98,25.02 29.57,24.61 29.57,20.65 28.43,19.51
VDDA_PLL0 on BOTTOM: 24.62,25.25 24.62,26.72 24.44,26.9 24.44,27.33 24.32,27.46 23.88,27.46 23.68,27.25 23.68,25.35 23.91,25.12 24.49,25.12
VDDA_PLL0 on LYR3: 24.16,24.43 23.55,24.43 23.35,24.23 23.35,21.74 24.62,20.47 24.62,18.59 24.75,18.46 26.25,18.46 26.42,18.64 26.42,20.37 25.46,21.33 25.46,23.14
VDDA_PLL1 on TOP: 36.23,19.15 34.45,19.15 34.3,19 34.3,18.39 34.5,18.19 36.23,18.19 36.38,18.34 36.38,19
VDDA_PLL1 on LAY5_PWR1: 34.25,19.51 35.19,19.51 35.37,19.33 35.37,16.97 35.16,16.76 28.63,16.76 28.46,16.94 28.46,18.39 28.74,18.67 33.41,18.67
VDDA_PLL2 on TOP: 36.46,12.14 36.03,11.71 36.03,10.23 36.2,10.06 36.79,10.06 36.89,10.16 36.89,10.67 37.35,11.12 37.35,12.01 37.22,12.14
VDDA_PLL2 on LAY5_PWR1: 38.21,11.48 37.96,11.23 33.99,11.23 33.56,11.66 33.56,13.03 32.7,13.89 29.3,13.89 27.9,15.29 27.9,16.41 28,16.51 35.26,16.51 38.21,13.56
VDDSHV5 on LAY5_PWR1: 32.55,13.51 33.18,12.88 33.18,6.68 33.03,6.53 31.38,6.53 29.14,8.76 29.14,13.28 29.37,13.51
VIN_5V on BOTTOM: 36.66,31.01 39.89,31.01 39.96,30.94 39.96,30.12 39.66,29.82 39.07,29.82 38.69,30.2 38.69,30.66 38.62,30.73 36.71,30.73 36.61,30.83 36.61,30.96
VIN_5V on LAY5_PWR1: 49.41,2.51 47.2,2.51 46.54,3.17 46.54,13.71 47.2,14.38 48.8,14.38 49.23,14.81 49.23,20.14 48.88,20.5 45.53,20.5 42.15,23.87 42.15,26.47 39.02,29.59 36.74,29.59 36.46,29.87 36.46,32.61 37.3,33.45 43.29,33.45 47.68,29.06 47.68,25.47 48.17,24.99 53.5,24.99 54.26,24.23 54.26,7.36
(no net) on LYR3: 0.25,25 3.11,31.89 10,34.75 45,34.75 51.89,31.89 54.75,25 54.75,10 51.89,3.11 45,0.25 10,0.25 3.11,3.11 0.25,10 ; 72 cut-outs
(no net) on LAY8: 0.25,25 3.11,31.89 10,34.75 45,34.75 51.89,31.89 54.75,25 54.75,10 51.89,3.11 45,0.25 10,0.25 3.11,3.11 0.25,10 ; 60 cut-outs
USB_5V on TOP: 40.85,1.27 40.85,3.43 41.39,3.96 42,3.96 42.35,3.61 42.35,1.27 42.07,0.99 41.13,0.99
USB_5V on BOTTOM: 48.9,15.39 47.94,15.39 47.46,15.87 46.69,15.87 46.54,16.03 46.16,16.03 45.75,16.43 45.09,16.43 44.99,16.33 44.99,15.49 45.86,14.63 46.01,14.63 46.11,14.73 46.11,15.21 46.14,15.24 46.44,15.24 46.47,15.21 46.47,14.68 46.52,14.63 46.69,14.63 46.74,14.68 46.74,15.19 46.77,15.21 47.1,15.21 47.13,15.19 47.13,14.68 47.15,14.65 47.79,14.65 47.96,14.83 48.85,14.83 49.06,15.04 49.06,15.24
USB_5V on BOTTOM: 32.06,31.01 34.22,31.01 34.32,31.11 35.72,31.11 36.03,30.81 36.03,29.59 38.29,27.33 38.29,25.86 38.13,25.7 35.77,25.7 35.59,25.88 35.59,27.25 34.22,28.62 34.22,30.61 34.1,30.73 32.06,30.73 31.96,30.83 31.96,30.91
USB_5V on LAY5_PWR1: 48.65,20.22 45.35,20.22 42.81,22.76 39.71,22.76 39.48,22.99 39.48,25.42 38.06,26.85 29.73,26.85 29.17,26.29 29.17,24.69 29.42,24.43 30.36,24.43 30.54,24.61 30.54,24.81 31.68,25.96 35.39,25.96 35.77,25.58 35.77,16.53 36.81,15.49 39.05,15.49 39.46,15.9 42.15,15.9 43.42,14.63 48.47,14.63 48.95,15.11 48.95,19.91
USB_5V on LAY8: 41.06,4.42 42.22,4.42 42.93,5.13 46.97,5.13 50.86,9.02 50.86,10.51 48.42,12.95 46.21,12.95 45.88,13.28 45.88,15.95 46.34,16.41 52.71,16.41 54.19,14.93 54.19,7.16 48.88,1.85 47.46,1.85 46.59,0.99 41.08,0.99 40.65,1.42 40.65,4.01
VSYS on TOP: 44.66,26.21 42.15,26.21 41.94,26.01 41.94,24.99 42.12,24.81 44.59,24.81 44.79,25.02 44.79,26.08
VSYS on TOP: 47.25,24.08 45.93,24.08 45.78,23.93 45.78,23.21 46.03,22.96 47.33,22.96 47.46,23.09 47.46,23.87
VSYS on TOP: 33.31,26.67 33.31,28.17 32.57,28.9 28.74,28.9 28.58,29.06 28.58,30.58 28.81,30.81 33.49,30.81 34.63,29.67 34.63,26.59 34.48,26.44 33.54,26.44
VSYS on TOP: 21.68,8.51 20.79,8.51 20.56,8.28 20.56,6.73 20.43,6.6 20.43,3.48 20.84,3.07 21.83,3.07 22.08,3.33 22.08,8.1
VSYS on BOTTOM: 42.35,4.62 40.93,4.62 40.83,4.72 40.83,5.69 41.16,6.02 41.16,6.86 41.39,7.09 42.22,7.09 42.68,6.63 42.68,4.95
VSYS on BOTTOM: 25.99,30.53 25.94,30.48 25.94,30.33 26.02,30.25 28.15,30.25 28.56,29.84 31.43,29.84 31.84,30.25 33.94,30.25 34.02,30.33 34.02,30.43 33.94,30.5 31.84,30.5 31,31.34 29.5,31.34 28.69,30.53
VSYS on LAY6_PWR2: 43.9,19.35 45.04,19.35 45.45,19.76 45.45,21.06 47.53,23.14 47.53,23.93 47.2,24.26 46.52,24.26 45.5,25.27 45.07,25.27 44.56,25.78 44.56,29.34 41.87,32.03 25.26,32.03 23.3,30.07 17.61,30.07 13.52,25.98 13.52,1.14 14.21,0.46 41.36,0.46 42.38,1.47 42.38,5.74 42.17,5.94 32.7,5.94 31.15,4.39 23.15,4.39 19.64,7.9 19.64,22.4 21.85,24.61 28.18,24.61 29.85,26.29 29.85,28.07 30.21,28.42 38.67,28.42 42.15,24.94 42.15,19.1 41.87,18.82 41.87,18.36 42.02,18.21 42.76,18.21
VSYS on LAY8: 53.73,25.42 53.73,26.95 46.03,34.64 36.76,34.64 35.92,33.81 35.92,30.17 36.51,29.59 38.54,29.59 38.85,29.89 38.85,33.07 39.1,33.32 39.71,33.32 40.73,32.31 40.73,28.07 41.18,27.61 45.75,27.61 48.24,25.12 53.43,25.12
N15997187 on BOTTOM: 48.95,24.99 47.66,24.99 47,24.33 45.78,24.33 45.73,24.28 45.73,24.15 45.75,24.13 46.31,24.13 46.34,24.1 46.34,23.87 46.31,23.85 45.75,23.85 45.73,23.82 45.73,23.65 45.75,23.62 47.18,23.62 47.74,23.06 48.9,23.06 49.08,23.24 49.08,24.87
N15997644 on BOTTOM: 42.73,25.81 42.73,25.83 42.22,26.34 42.22,29.08 42.4,29.26 43.47,29.26 43.65,29.08 43.65,26.92 43.19,26.47 43.19,26.21 42.78,25.81
N15998811 on BOTTOM: 44.71,25.86 43.77,25.86 43.65,25.98 43.65,26.59 44.31,27.25 44.31,28.24 44.48,28.42 46.62,28.42 46.92,28.12 46.92,26.82 46.54,26.44 45.3,26.44
N16034849 on TOP: 40.67,6.58 38.01,6.58 37.83,6.4 37.83,5.1 38.08,4.85 40.65,4.85 40.88,5.08 40.88,6.37
N16034849 on BOTTOM: 38.64,8.38 38.08,8.38 37.85,8.15 37.85,6.15 38.01,5.99 38.69,5.99 38.92,6.22 38.92,8.1

Small or netless copper shapes (teardrops, artwork), in the pictures only: 1 on BOTTOM

## Text on the board
Ref Des/Assembly Bottom: Assembly_BOTTOM
Ref Des/Silkscreen Bottom: VPP | 1V8 | JTAG | USB | USER | P | PWR | C | 1 | 2 | 3 | 4
User.Comments: SP2 | SP1 | PWR | RF2 | RF1 | WL | BeaglePlay v0.2 | MICRO SD | USR-LED | VPP | 3 | 4 | 2 | 0 | 1 | GND | JTAG-AM62 | OLDI | JTAG-CC1352P | RTC-BAT | CR1220 | G | CSI | USB2.0 | GROVE | SUBG | ANT1 | 2.4G | ANT2 | RST | SINGLE-PAIR | ETHERNET | USB | USR | TX | RX | HDMI | UART | QWIIC | MIKROBUS
Ref Des/Assembly Top: Assembly_TOP
Ref Des/Silkscreen Top: UART | 36 | 35 | Rev A | PocketBeagle 2 | 2 | 1 | MicroSD
PAGE_OUTLINE: L10 BOTTOM | L9 INNER | PREPREG | L6 INNER | L7 INNER | COPPER | FR4 | 8mil | 0.5 OZ | ROUTING | SINGLE 40ohm+/-10% | Line width(mil) | W:6.6 | W:6 | W:3.8 | DIFFERENCE 80ohm-/+10% | Line width/Space(mil) | W:4.3/S:4.4 | W:5.8/S:4 | W:3.6/S:5.7 | W:4.1/S:7
User.43: FIGURE | FINISHED_SIZE | 4.0 | DRILL CHART: TOP to LYR2_GND | ALL UNITS ARE IN MILS | TOLERANCE_DRILL | +0.0/-0.0 | PLATED | QTY | 39 | TOTAL HOLES:
User.45: FIGURE | FINISHED_SIZE | 51.18x19.69 | 8.0 | 21.65 | 35.0 | 23.62 | 47.24 | SLOT HOLES: TOP to BOTTOM | ALL UNITS ARE IN MILS | DRILL CHART: TOP to BOTTOM | TOLERANCE_DRILL | +0.0/-0.0 | +3.0/-3.0 | PLATED | NON-PLATED | QTY | 4 | 794 | 46 | 2 | 6 | 3 | 855 | 4.0 | DRILL CHART: LYR2_GND to LYR9_GND | DRILL CHART: LYR9_GND to BOTTOM | 91 | 176 | TOTAL HOLES:
